# Altium PCB AUAV_X05.PcbDoc (part 4 of 5)
Units mm, origin at the board's own origin, x right, y up, seen from the top; angles counter-clockwise.
Board outline 44.99 x 99.99 mm, 4 copper layers (Top Layer, Int1 Layer, Int2 Layer, Bottom Layer), stack 1.587 mm thick; 376 components, 270 nets, 1466 pads, 1242 vias.
Unrouted connection lines stored in the file: 2.
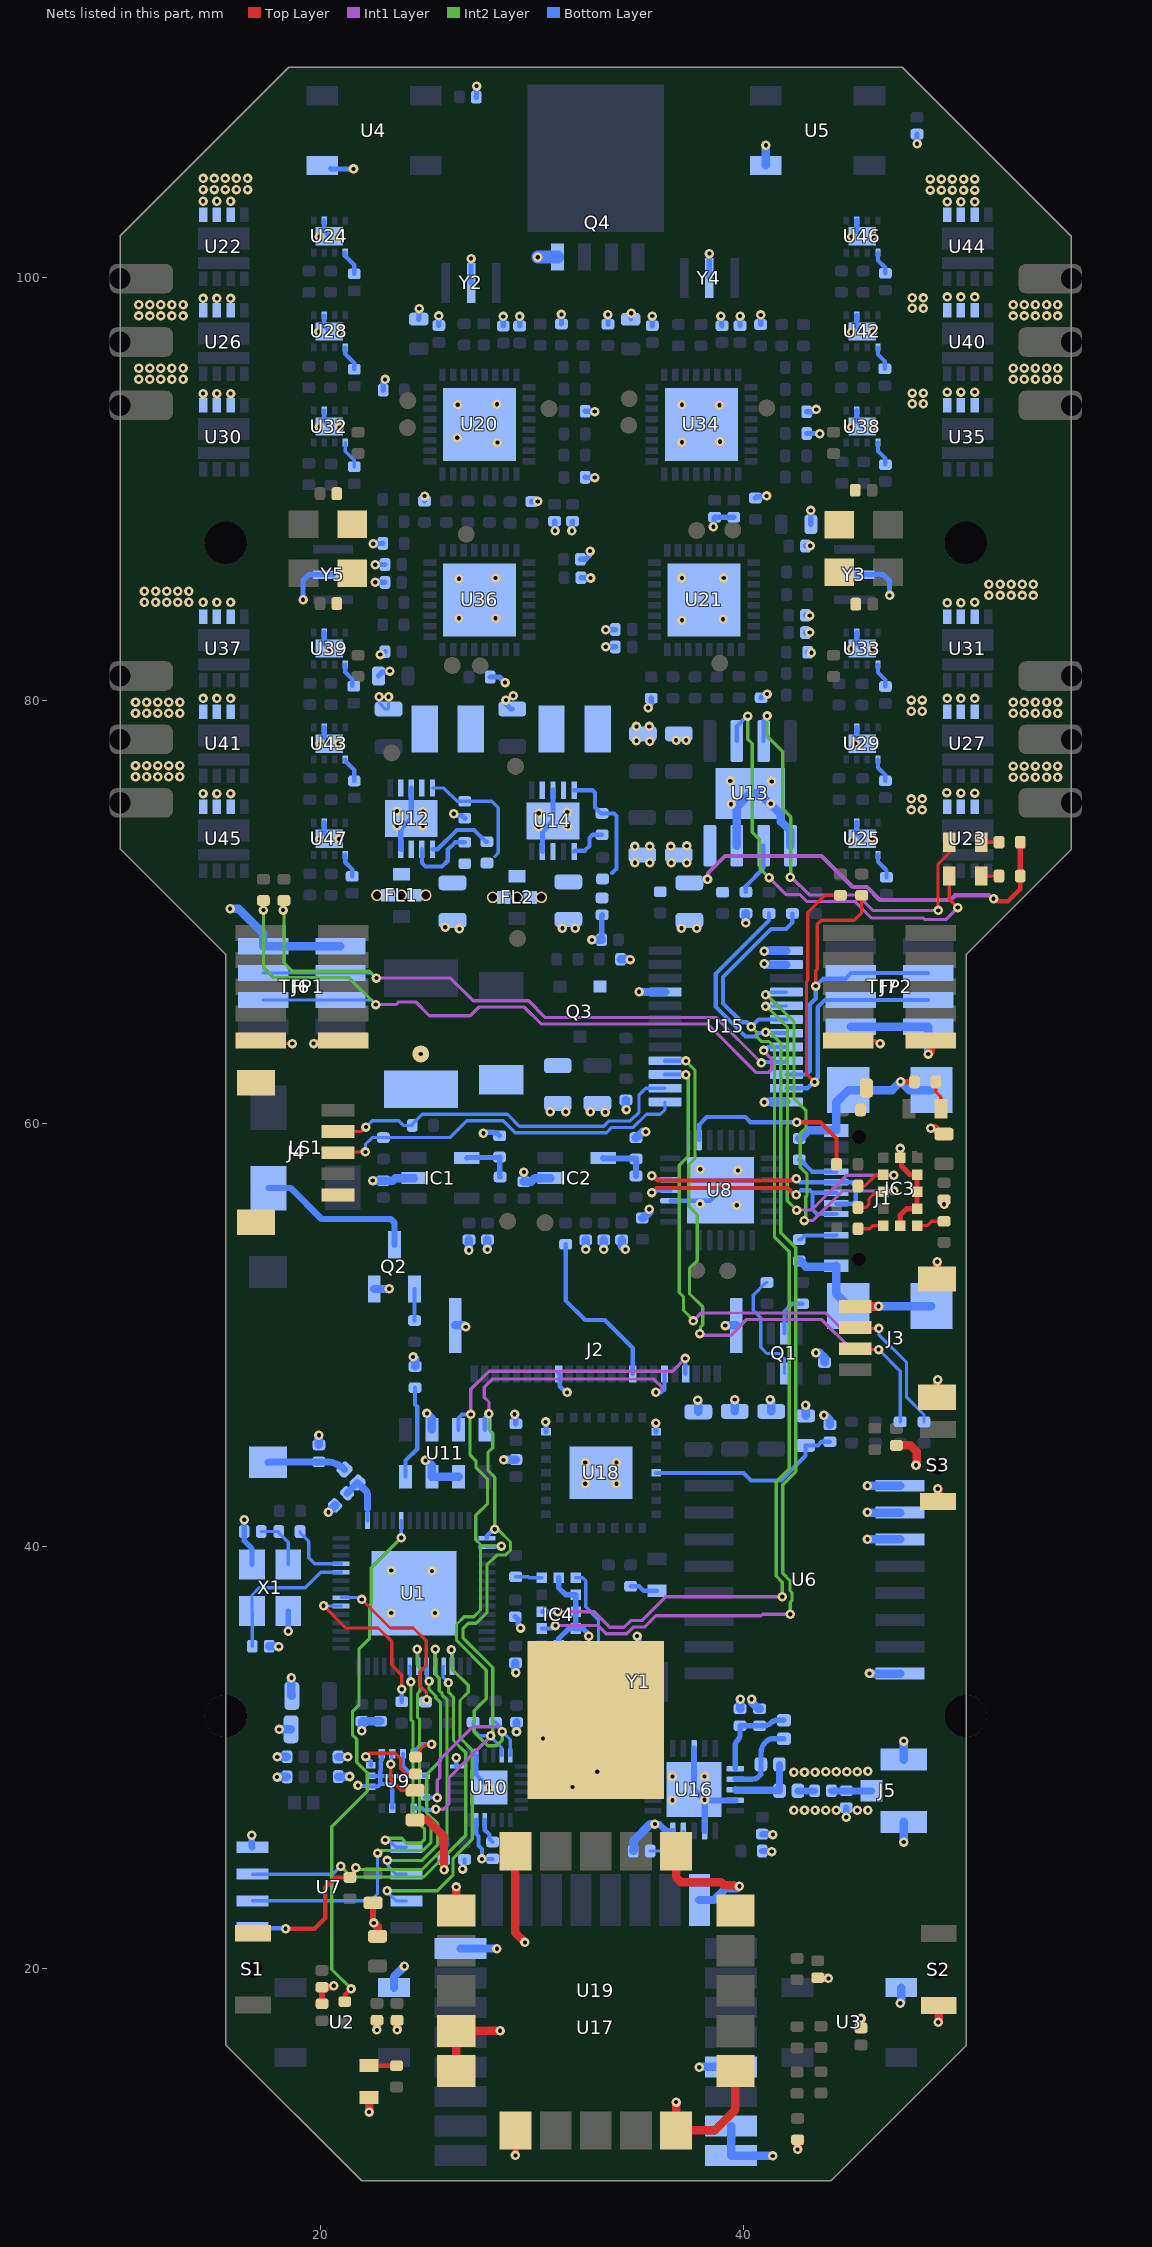
[diagram p6: the nets of this part, all layers, seen from the top]

## Via types
v1: diameter 0.45, hole 0.2, Top Layer to Bottom Layer, tented both sides, 1213 vias
v2: diameter 0.5, hole 0.25, Top Layer to Bottom Layer, 24 vias
v3: diameter 0.45, hole 0.2, Top Layer to Bottom Layer, 5 vias

## Nets (pads, with @x,y where several pads share a name; then routed paths per layer and width w, separated by ;. In a path a pad name is that pad's centre, name@x,y a point inside that pad or via, vN(x,y) a via of type N, cw(c..) or ccw(c..) an arc to the next point about the centre after c; other vN are vias at no path point) (continued)
GND: B1.1 C1.P$2 C2.P$2 C3.P$2 C4.P$2 C5.P$2 C6.P$2 C7.P$1 C8.P$1 C9.P$2 C10.P$2 C11.P$2 C12.P$2 C13.P$2 C14.P$2 C15.P$2 C16.P$2 C17.P$2 C18.P$2 C19.P$2 C20.P$2 C21.P$1 C22.P$1 C23.P$2 C24.P$2 C25.P$2 C26.P$2 C27.P$2 C28.P$2 C29.P$2 C31.P$2 C32.P$1 C33.P$2 C34.P$2 C35.P$1 C36.P$1 C37.P$2 C38.P$2 C39.P$2 C40.P$2 C41.P$2 C42.P$1 C43.P$2 C44.P$2 C45.P$2 C46.P$2 C47.P$1 C48.P$1 C49.P$1 C50.P$1 C51.P$1 C52.P$1 C53.P$1 C54.P$2 C55.P$1 C56.P$1 C57.P$2 C58.P$1 C59.P$1 C60.P$1 C61.P$1 C62.P$2 C63.P$2 C65.P$2 C66.P$2 C67.P$2 C68.P$2 C69.P$2 C70.P$2 C71.P$2 C72.P$2 C73.P$2 C74.P$2 C75.2 C76.P$2 C77.2 C78.P$2 C81.P$2 C82.P$2 C83.P$2 C84.P$2 C85.P$2 C86.P$2 C87.P$2 C88.P$2 C89.P$2 C90.P$2 C91.P$2 C92.P$2 C97.2 C98.P$2 C99.2 C100.P$2 C103.P$2 C104.P$2 C105.P$2 C106.P$2 C107.P$2 C108.P$2 C109.P$2 C110.P$2 C111.P$2 C112.P$2 C113.P$2 C114.P$2 FL1.2 FL1.2_1 FL1.2_2 FL1.2_3 FL1.2_4 FL2.2 FL2.2_1 FL2.2_2 FL2.2_3 FL2.2_4 IC1.2 IC2.2 IC3.2 IC3.3 IC3.4 IC3.6 IC3.12 IC4.2 IC4.3 IC4.4 IC4.6 IC4.12 J1.A1/B12 J1.B1/A12 J1.S1 J1.S2 J1.S3 J1.S4 J2.9 J2.S J3.4 J3.S1 J3.S2 J4.5 J4.S1 J4.S2 J5.2 J5.3 J6.9 J6.10 J7.9 J7.10 LED5.C Q2.2 Q4.4 R16.P$2 R17.P$2 R23.P$2 R29.P$1 R30.P$2 R35.P$1 R36.P$1 R38.P$1 R40.P$2 R42.P$1 R62.P$1 R64.P$1 R77.P$2 R78.P$2 R97.P$1 R100.P$1 R101.P$1 R103.P$1 R106.P$1 R107.P$1 R115.P$2 R116.P$2 R135.P$1 R138.P$1 R139.P$1 R141.P$1 R144.P$1 R145.P$1 S1.1 S2.1 S3.1 TFP1.1 TFP2.4 U1.57 U2.3 U3.3 U4.3 U5.3 U6.1 U6.2 U6.3 U6.8 U7.4 U8.3 U8.29 U9.3 U9.6 U9.7 U9.9 U9.11 U9.14 U10.11 U10.18 U10.20 U10.25 U11.2 U11.3 U11.6 U12.3 U12.9 U12.11 U13.1 U13.3 U13.9 U14.3 U14.9 U14.11 U15.1 U15.2 U15.12 U15.21 U16.8 U16.14 U16.17 U16.20 U16.21 U17.8 U17.16 U17.21 U17.23 U17.24 U18.1 U18.21 U18.29 U19.1 U19.4 U19.5 U19.6 U19.10 U19.11 U19.15 U19.16 U19.20 U20.33 U21.33 U22.5 U22.6 U22.7 U23.5 U23.6 U23.7 U24.6 U24.9 U25.6 U25.9 U26.5 U26.6 U26.7 U27.5 U27.6 U27.7 U28.6 U28.9 U29.6 U29.9 U30.5 U30.6 U30.7 U31.5 U31.6 U31.7 U32.6 U32.9 U33.6 U33.9 U34.33 U35.5 U35.6 U35.7 U36.33 U37.5 U37.6 U37.7 U38.6 U38.9 U39.6 U39.9 U40.5 U40.6 U40.7 U41.5 U41.6 U41.7 U42.6 U42.9 U43.6 U43.9 U44.5 U44.6 U44.7 U45.5 U45.6 U45.7 U46.6 U46.9 U47.6 U47.9 X1.2 X1.4 Y1.2 Y2.2 Y3.2 Y4.2 Y5.2 | length 225.8
  Top Layer w0.153: J6.9@17.175,63.923 17.326,63.773 v1(18.662,63.773) ; J7.9@44.975,63.923 46.221,63.923 46.37,63.775 v1(46.477,63.775)
  Top Layer w0.25: v1(19.675,63.773) 19.716,63.773 19.818,63.875 21.027,63.875 J6.10@21.075,63.923 ; IC3.6@47.425,55.163 47.425,55.65 47.738,55.963 IC3.4@48.225,55.963 IC3.3@48.225,56.763 IC3.2@48.225,57.563 47.911,57.563 47.486,57.988 47.486,58.302 IC3.12@47.425,58.363 v1(47.425,58.813) ; v1(47.448,61.975) 47.453,61.969 48.095,61.969 R36.P$1@48.1,61.964 ; v1(49.5,56.175) C55.P$1@49.5,56.389
  Top Layer w0.3: C2.P$2@20.075,18.35 C1.P$2@20.075,19.125 20.523,19.125 20.598,19.2 v1(20.625,19.2) ; C24.P$2@22.488,23.125 22.488,22.239 22.525,22.202 v1(22.525,22.175) ; v1(29.225,11.175) U19.6@29.225,12.363
  Top Layer w0.4: v1(22.3,13.225) LED5.C@22.3,13.914 ; v1(22.525,22.175) 22.7,22 C66.P$2@22.7,21.539 ; v1(22.675,17.11) v1@22.675,17.225 ; v1@22.675,17.225 C73.P$2@22.675,17.564 ; v1(23.625,17.11) v1@23.625,17.15 ; v1@23.625,17.15 C74.P$2@23.625,17.564 ; C31.P$2@24.475,27.05 25.05,27.05 25.199,26.9 25.846,26.254 v1(25.846,24.689) ; U19.5@26.425,15.164 U19.4@26.425,17.064 28.489,17.064 v1(28.5,17.075) ; U19.1@26.425,22.764 v1@26.425,23.875 ; U19.20@29.225,25.563 29.225,21.7 v1(29.675,21.25) ; v1(36.825,13.7) U19.10@36.825,12.364 38.664,12.364 39.625,13.325 U19.11@39.625,15.164 ; U19.16@36.825,25.563 36.825,24.334 37.06,24.1 38.95,24.1 39.084,23.966 39.548,23.966 39.609,23.906 v1(39.818,23.906) ; v1(42.575,11.46) 42.575,11.6 R64.P$1@42.575,11.914 ; C6.P$2@43.525,19.583 43.991,19.583 44.025,19.55 v1(44.03,19.55) ; J3.4@45.3,51.339 46.391,51.339 v1(46.402,51.35) ; C3.P$2@45.575,17.2 v1(45.575,17.654) ; C25.P$2@47.25,44.763 47.912,44.763 48.2,44.475 48.2,43.85 v1(48.175,43.825) ; v1(48.75,63.275) 48.875,63.4 J7.10@48.875,63.923 ; v1(48.869,59.773) 49.064,59.773 49.348,59.489 C54.P$2@49.5,59.489 ; J3.S1@49.175,47.039 49.175,47.85 v1(49.2,47.875) ; J3.S2@49.175,52.639 v1(49.175,53.45) ; v1(49.2,42.714) 49.2,42.7 49.225,42.675 S3.1@49.225,42.113 ; v1(49.225,17.475) 49.25,17.5 S2.1@49.25,18.263
  Bottom Layer w0.152: v1(22.774,80.181) 22.796,80.158 22.796,79.872 23.068,79.6 C41.P$2@23.225,79.6 23.223,79.602 v1(23.223,80.181)
  Bottom Layer w0.2: U32.6@20.175,93.722 20.175,93.213 U32.9@20.425,92.963 ; U28.6@20.175,98.222 20.175,97.713 U28.9@20.425,97.463 ; U24.6@20.175,102.722 20.175,102.213 U24.9@20.425,101.963 ; v1(21.775,28.677) 21.801,28.651 22.349,28.651 U9.6@22.375,28.625 22.712,28.625 22.829,28.742 ; U9.7@22.375,29.129 22.829,29.129 ; U9.9@22.9,30.17 22.9,29.886 22.856,29.842 22.856,29.38 22.829,29.353 22.829,29.129 ; U9.3@23.4,27.6 23.4,28.625 23.283,28.742 22.829,28.742 ; U9.11@23.904,30.17 23.904,29.583 24.358,29.129 ; U9.14@24.945,29.129 24.358,29.129 ; C28.P$2@25.835,25.164 25.84,25.158 25.84,24.694 v1(25.846,24.689) ; v1(26.43,29.991) 26.43,29.577 26.431,29.575 U10.18@26.451,29.575 ; v1(26.723,24.72) 26.723,24.774 26.815,24.866 C26.P$2@26.815,25.174 ; U10.11@27.375,27.051 27.375,26.375 27.475,26.275 27.475,25.832 27.64,25.667 27.64,25.204 27.642,25.202 28.144,25.202 C32.P$1@28.145,25.204 ; U10.20@27.375,30.099 27.375,29.175 v1(27.975,28.575) ; J2.9@31.275,48.138 31.322,48.092 31.322,47.559 31.611,47.27 v1(31.665,47.27) ; C103.P$2@34.675,98.039 34.675,98.3 v1(34.7,98.325) ; U8.3@36.555,56.339 38.425,56.339 U8.29@38.925,56.838 ; 22.829,28.742 22.829,29.129 ; 22.829,29.129 24.358,29.129
  Bottom Layer w0.25: C9.P$2@16.4,40.688 v1(16.4,41.25) ; C9.P$2@16.4,40.688 16.4,40.25 16.762,39.888 X1.4@16.762,39.138 ; v1(18.475,35.975) X1.2@18.475,36.921 ; v1(19.175,84.775) 19.175,85.675 19.463,85.963 Y5.2@20.6,85.963 ; U47.6@20.175,74.222 20.175,73.714 U47.9@20.425,73.464 ; U43.6@20.175,78.722 20.175,78.213 U43.9@20.425,77.963 ; U39.6@20.175,83.222 20.175,82.713 U39.9@20.425,82.464 ; U4.3@20.475,105.175 20.5,105.15 v1(21.564,105.15) ; v1(22.496,87.425) 22.503,87.432 22.944,87.432 R141.P$1@22.95,87.438 ; v1(22.596,85.6) 22.602,85.594 23.045,85.594 C111.P$2@23.05,85.588 ; v1(22.596,86.425) 22.61,86.438 C112.P$2@23.05,86.438 ; C109.P$2@22.75,81.163 22.75,81.178 22.928,81.356 23.242,81.356 v1(23.28,81.394) ; v1(22.825,82.177) 22.863,82.215 22.952,82.215 C110.P$2@23.05,82.313 ; R77.P$2@22.967,94.688 22.971,94.692 22.971,95.066 23.058,95.153 v1(23.058,95.193) ; U12.9@23.8,72.966 23.8,73.914 U12.11@24.3,74.414 U12.3@24.3,75.861 ; C81.P$2@24.65,98.044 24.663,98.057 24.663,98.537 v1(24.675,98.549) ; R144.P$1@24.925,89.438 v1(24.925,89.675) ; v1(25.597,98.198) 25.599,98.197 25.599,97.746 C82.P$2@25.6,97.744 ; v1(26.304,74.643) 26.359,74.643 26.437,74.564 26.698,74.564 C40.P$2@26.825,74.436 ; Y2.2@27.125,99.763 v1(27.125,100.913) ; C7.P$1@27.375,108.55 27.382,108.557 27.382,109.068 v1(27.388,109.075) ; v1(27.712,59.528) 27.766,59.528 27.813,59.575 28.149,59.575 28.183,59.541 28.348,59.541 R38.P$1@28.475,59.413 ; R116.P$2@28.033,81.114 28.473,81.114 v1(28.736,80.85) ; C83.P$2@28.65,97.719 v1(28.65,98.173) ; v1(28.775,80.025) 28.775,79.829 29.002,79.603 C45.P$2@29.075,79.603 ; v1(29.182,46.237) 29.182,46.197 29.245,46.133 C70.P$2@29.245,45.783 ; C20.P$2@29.215,36.654 29.233,36.654 29.362,36.525 29.362,36.275 29.47,36.166 v1(29.47,36.125) ; v1(29.42,98.173) 29.423,98.171 29.423,97.722 C84.P$2@29.425,97.719 ; C52.P$1@29.625,57.238 v1(29.625,57.692) ; R145.P$1@30,89.413 30.006,89.419 30.273,89.419 v1(30.279,89.425) ; U14.9@30.5,72.866 30.5,73.813 U14.11@31,74.313 U14.3@31,75.761 ; v1(30.65,45.875) 30.672,45.853 U18.21@30.672,45.413 ; C86.P$2@31.075,88.488 31.086,88.478 31.086,88.045 v1(31.097,88.035) ; IC4.12@31.275,35.304 31.275,35.625 31.753,36.103 IC4.2@32.075,36.103 ; IC4.6@31.275,38.503 31.275,38.025 31.597,37.704 IC4.4@32.075,37.704 IC4.3@32.075,36.903 IC4.2@32.075,36.103 ; R97.P$1@31.4,97.813 v1(31.4,98.267) ; v1(31.896,88.035) 31.911,88.049 31.911,88.474 C85.P$2@31.925,88.488 ; C113.P$2@32.3,86.688 32.307,86.682 32.549,86.682 32.725,86.858 32.725,87.047 v1(32.754,87.075) ; C114.P$2@32.325,85.813 32.766,85.813 v1(32.779,85.8) ; R101.P$1@32.525,90.563 32.532,90.557 32.973,90.557 v1(32.979,90.55) ; R100.P$1@32.525,93.688 32.966,93.688 v1(32.979,93.675) ; v1(32.689,35.735) 32.661,35.764 32.661,35.861 32.434,36.087 32.091,36.087 IC4.2@32.075,36.103 ; C56.P$1@33.3,68.688 33.313,68.701 33.313,69.851 C44.P$2@33.325,69.864 C44.P$2@33.339,69.849 ; v1(33.496,82.55) 33.502,82.544 33.945,82.544 C91.P$2@33.95,82.538 ; v1(33.496,83.35) 33.503,83.357 33.944,83.357 C92.P$2@33.95,83.363 ; R115.P$2@33.6,97.808 v1(33.6,98.262) ; v1(35.511,79.659) 35.511,79.7 35.65,79.839 R107.P$1@35.65,80.113 ; C107.P$2@35.7,97.738 v1(35.7,98.192) ; v1(35.873,45.823) 35.876,45.82 35.876,45.417 U18.1@35.879,45.413 ; Y4.2@38.4,99.988 v1(38.4,101.15) ; v1(38.594,88.221) 38.622,88.249 38.622,88.647 C104.P$2@38.65,88.675 C108.P$2@39.55,88.675 ; v1(38.946,98.192) 38.973,98.165 38.973,97.766 C105.P$2@39,97.738 ; C106.P$2@39.85,97.738 v1(39.85,98.192) ; R78.P$2@40.575,89.583 40.636,89.644 41.067,89.644 v1(41.105,89.683) ; R135.P$1@40.825,97.788 v1(40.825,98.242) ; R106.P$1@40.85,80.138 40.968,80.256 41.02,80.256 41.035,80.272 41.091,80.272 v1(41.129,80.31) ; C90.P$2@42.95,83.213 42.962,83.225 v1(43.148,83.225) ; C89.P$2@42.95,84.038 43.134,84.038 v1(43.148,84.025) ; C88.P$2@42.95,87.313 42.956,87.319 43.169,87.319 v1(43.175,87.325) ; R139.P$1@43,92.638 43.006,92.633 43.612,92.633 v1(43.618,92.627) ; R138.P$1@43,93.663 43.3,93.663 43.414,93.777 v1(43.454,93.777) ; R103.P$1@43.05,82.288 43.208,82.288 v1(43.23,82.267) ; C87.P$2@43.2,88.339 v1(43.2,88.996) ; Y3.2@45.25,85.963 46.612,85.963 46.925,85.65 v1(46.925,84.975) ; U33.6@45.375,83.223 45.375,82.714 U33.9@45.625,82.464 ; U25.6@45.375,74.223 45.375,73.714 U25.9@45.625,73.464 ; U29.6@45.375,78.722 45.375,78.213 U29.9@45.625,77.963 ; U38.6@45.375,93.722 45.375,93.213 U38.9@45.625,92.963 ; U42.6@45.375,98.222 45.375,97.713 U42.9@45.625,97.463 ; U46.6@45.375,102.722 45.375,102.213 U46.9@45.625,101.963 ; v1(48.225,106.346) C8.P$1@48.225,106.8
  Bottom Layer w0.3: v1(16.75,26.325) 16.75,25.785 U7.4@16.78,25.755 ; v1(34.978,35.742) 34.978,35.715 35.05,35.643 Y1.2@35.05,33.575 ; v1@36.025,26.85 36.35,26.525 U16.20@36.675,26.525 ; U16.8@37.675,30.425 U16.21@37.675,28.475 38.181,27.969 39.619,27.969 U16.14@39.625,27.975 ; U16.21@38.16,27.99 v1(38.171,28.001) ; U16.17@38.175,26.525 U16.21@38.175,27.975 ; R62.P$1@40.9,25.575 41.275,25.575 41.281,25.569 41.335,25.569 v1(41.354,25.55) ; C59.P$1@40.9,26.375 41.3,26.375 41.306,26.369 41.386,26.369 v1(41.405,26.35) ; v1(44.875,27.171) C65.P$2@44.875,27.625
  Bottom Layer w0.4: v3(15.725,70.15) 16.125,70.15 17.298,68.977 TFP1.1@17.298,68.378 TFP1.1@20.948,68.378 ; C10.P$2@17.575,35.264 17.962,35.264 17.975,35.25 v1(18.029,35.25) ; v1(17.95,29.075) 17.959,29.084 C14.P$2@18.415,29.084 ; v1(17.961,30.025) 18,30.025 18.008,30.033 C13.P$2@18.415,30.033 ; v1(18.051,31.325) 18.1,31.325 18.108,31.333 C11.P$2@18.606,31.333 ; v1(18.625,33.774) 18.625,32.935 C12.P$2@18.646,32.914 ; C4.P$2@19.925,44.788 19.925,45.225 v1(19.925,45.242) ; v1(20.38,41.601) 20.692,41.914 C5.P$2@20.692,41.931 ; C16.P$2@20.835,30.023 21.288,30.023 v1(21.289,30.025) ; C15.P$2@20.845,29.094 21.372,29.094 v1(21.379,29.1) ; v1(21.95,31.265) 21.95,31.4 21.965,31.415 C17.P$2@21.965,31.719 C19.P$2@22.835,31.719 ; v1(22.47,57.295) 22.476,57.288 C47.P$1@22.975,57.288 23.419,57.288 23.544,57.413 IC1.2@24.425,57.413 ; Q2.2@22.55,52.163 23.238,52.163 v1(23.25,52.175) ; U2.3@23.48,19.114 23.48,19.63 v1(23.975,20.125) ; v1(24.381,48.952) 24.475,48.858 R23.P$2@24.475,48.496 ; v1(24.97,44.054) 25.041,44.054 25.275,43.82 U11.3@25.275,43.288 U11.2@26.535,43.288 ; v1(25.036,46.275) 25.041,46.275 25.275,46.041 U11.6@25.275,45.506 ; J2.S@26.375,50.438 26.808,50.438 v1(26.875,50.371) ; U17.8@26.625,20.963 28.336,20.963 v1(28.35,20.95) ; v1(27.025,54) C50.P$1@27.025,54.488 ; v1(27.9,54.034) 27.9,54.075 C48.P$1@27.9,54.488 ; v1(28.66,44.075) 28.679,44.093 C33.P$2@29.245,44.093 ; C18.P$2@29.225,34.473 29.225,34.125 29.25,34.1 v1(29.25,34.02) ; v1(29.275,31.21) 29.275,31.35 C58.P$1@29.275,31.664 ; C52.P$1@29.625,57.238 29.964,57.238 30.139,57.413 IC2.2@30.875,57.413 ; v1(30.525,30.895) 30.525,30.9 C57.P$2@30.525,31.4 ; C27.P$2@31.915,30.174 C29.P$2@31.915,29.204 31.915,28.623 ccw(c31.948,28.623) v1(31.925,28.6) ; v1(32.55,54.034) 32.55,54.075 C51.P$1@32.55,54.488 ; v1(32.846,68.675) 32.95,68.675 32.963,68.688 C56.P$1@33.3,68.688 ; v1(33.1,29.325) 33.1,28.942 ccw(c33.356,28.942) C60.P$1@33.175,28.761 ; v1(33.4,54.034) 33.4,54.075 C49.P$1@33.4,54.488 ; R35.P$1@34.2,67.763 34.612,67.763 34.625,67.75 v1(34.654,67.75) ; C53.P$1@34.25,54.488 34.25,54.212 v1(34.427,54.034) ; R30.P$2@34.45,61.105 34.45,61.052 34.45,60.677 v1(34.477,60.65) ; C61.P$1@34.8,25.575 34.83,25.605 34.83,26.08 35.6,26.85 v1(35.821,26.85) ; R42.P$1@34.925,59.325 34.979,59.379 35.03,59.379 35.258,59.607 v1(35.391,59.607) ; v1(35.075,66.225) 35.087,66.213 U15.21@36.305,66.213 ; R40.P$2@35.225,55.521 35.276,55.521 35.56,55.806 v1(35.56,55.935) ; v1(37.85,46.908) 37.85,46.85 37.875,46.825 C69.P$2@37.875,46.353 ; v1(37.925,15.35) 37.938,15.363 U17.21@39.425,15.363 ; U17.16@37.925,23.259 38.625,23.259 39.255,23.889 39.343,23.801 39.713,23.801 v1(39.818,23.906) ; v1(39.15,50.431) 39.157,50.438 J2.S@39.675,50.438 ; U17.23@39.425,12.564 U17.24@39.425,11.164 41.387,11.164 v1(41.4,11.15) ; C68.P$2@39.6,46.377 39.6,46.825 v1(39.6,46.933) ; U13.3@39.695,73.139 39.695,74.979 U13.9@40.33,75.614 40.775,75.614 41.781,74.607 41.781,74.278 42.235,73.824 U13.1@42.235,73.139 ; C63.P$2@39.85,32.3 39.85,32.738 v1(39.866,32.754) ; v1(40.125,69.484) v1@40.125,69.525 ; v1@40.125,69.525 R29.P$1@40.125,69.938 ; v1(40.395,32.751) 40.395,32.63 40.724,32.3 C62.P$2@40.775,32.3 ; v1(41,61) 41.013,61.014 U15.12@42.045,61.014 ; v1(41,67.554) 41.04,67.513 U15.2@42.045,67.513 ; v1(41,68.146) 41.017,68.163 U15.1@42.045,68.163 ; U5.3@41.07,105.314 41.07,106.27 v3(41.075,106.275) ; v1(41.271,46.933) 41.325,46.879 C67.P$2@41.325,46.377 ; U13.9@41.285,75.103 v1(41.303,75.121) ; R17.P$2@42.65,53.492 42.701,53.492 42.968,53.225 44.362,53.225 J1.B1/A12@44.4,53.263 44.4,51.928 J1.S2@44.975,51.353 J1.S4@48.905,51.353 ; R16.P$2@42.65,59.283 42.701,59.283 43.081,59.664 J1.A1/B12@44.4,59.664 44.4,60.998 J1.S1@44.975,61.573 47.046,61.573 v1(47.448,61.975) 47.849,61.573 J1.S3@48.905,61.573 ; C71.P$2@42.95,46.164 42.95,46.6 v1(42.95,46.668) ; v1(43.443,49.142) 43.616,49.142 43.85,48.908 C21.P$1@43.85,48.688 ; v1(43.82,46.192) 43.866,46.192 44.1,45.958 C72.P$2@44.1,45.738 ; TFP2.4@45.098,64.568 TFP2.4@48.748,64.568 48.748,63.277 v1(48.75,63.275) ; v1(45.875,40.325) 45.882,40.318 U6.3@47.421,40.318 ; v1(45.875,41.6) 45.887,41.588 U6.2@47.421,41.588 ; v1(45.875,42.85) 45.883,42.858 U6.1@47.421,42.858 ; v1(45.975,33.975) 45.982,33.968 U6.8@47.421,33.968 ; v1(47.425,18.375) 47.47,18.42 U3.3@47.47,19.114 ; v1(47.6,26) J5.2@47.6,26.95 ; J5.3@47.6,29.9 v1(47.6,30.775)
  Bottom Layer w0.6: v1(30.275,100.975) 30.284,100.984 31.215,100.984 31.22,100.989 Q4.4@31.22,100.993
  other v1: 26.425,23.875 27.64,25.2 42.4,27.5 42.9,27.5 43.4,27.5 43.9,27.5 44.4,27.5 45.4,27.5 45.9,27.5 36.652,27.975 36.652,29.1 38.171,29.1 42.4,29.3 42.9,29.3 43.4,29.3 43.9,29.325 44.4,29.325 44.9,29.325 45.4,29.325 45.9,29.35 23.35,36.83 25.425,36.83 25.282,38.825 23.35,38.85 32.523,42.95 34,42.95 32.523,43.95 34,43.95 39.7,56.125 37.962,56.185 39.75,57.775 37.971,57.825 33.475,60.525 30.875,60.55 31.6,60.55 32.775,60.55 26.575,69.2 31.45,69.225 32.05,69.225 37.075,69.225 37.8,69.225 25.9,69.275 34.875,72.325 35.575,72.325 36.6,72.325 37.325,72.325 34.875,73.1 35.575,73.1 36.575,73.1 37.325,73.125 45.175,73.375 19.975,73.45 20.875,73.45 46.1,73.475 30.325,74.025 31.7,74.05 23.627,74.075 24.846,74.075 30.325,74.675 31.675,74.725 24.846,74.75 23.627,74.775 47.95,74.825 48.475,74.825 39.429,75.1 47.95,75.35 48.475,75.35 14.45,75.6 15.1,75.6 15.75,75.6 50.3,75.625 50.95,75.625 49.625,75.65 41.35,76.175 39.384,76.2 52.775,76.375 53.3,76.375 53.825,76.375 54.35,76.375 54.875,76.375 11.25,76.4 11.775,76.4 12.3,76.4 12.825,76.4 13.35,76.4 52.775,76.9 53.3,76.9 53.825,76.9 54.35,76.9 54.875,76.9 11.25,76.925 11.775,76.925 12.3,76.925 12.825,76.925 13.35,76.925 20,77.975 20.85,77.975 45.3,77.975 35.575,78.075 34.95,78.1 36.824,78.125 37.3,78.125 34.95,78.775 35.55,78.775 11.25,79.4 11.775,79.4 12.3,79.4 12.825,79.4 13.35,79.4 52.775,79.4 53.3,79.4 53.825,79.4 54.35,79.4 54.875,79.4 47.95,79.5 48.475,79.5 11.25,79.925 11.775,79.925 12.3,79.925 12.825,79.925 13.35,79.925 52.775,79.925 53.3,79.925 53.825,79.925 54.35,79.925 54.875,79.925 47.95,80.025 48.475,80.025 14.45,80.1 15.1,80.1 15.75,80.1 49.65,80.1 50.3,80.1 50.95,80.1 29.118,80.231 46.125,82.425 20.439,82.439 45.125,82.45 37.1,83.8 39.05,83.85 26.554,83.9 28.283,83.9 49.65,84.625 50.3,84.625 11.675,84.65 12.2,84.65 12.725,84.65 13.25,84.65 13.775,84.65 14.45,84.65 15.1,84.65 15.75,84.65 50.95,84.65 51.625,84.975 52.15,84.975 52.675,84.975 53.2,84.975 53.725,84.975 11.675,85.175 12.2,85.175 12.725,85.175 13.25,85.175 13.775,85.175 51.625,85.5 52.15,85.5 52.675,85.5 53.2,85.5 53.725,85.5 26.554,85.766 28.283,85.798 37.1,85.8 39.075,85.8 28.375,92.204 37.1,92.225 38.9,92.25 26.475,92.434 20.9,92.925 19.95,92.95 45.138,92.937 46.125,92.975 38.875,93.975 26.5,94 37.1,94 28.35,94.025 48,94.046 48.525,94.046 14.45,94.525 15.1,94.525 15.75,94.525 48,94.546 48.525,94.546 49.65,94.596 50.3,94.596 50.95,94.596 11.4,95.2 11.925,95.2 12.45,95.2 12.975,95.2 13.5,95.2 52.775,95.2 53.3,95.2 53.825,95.2 54.35,95.2 54.875,95.2 11.4,95.725 11.925,95.725 12.45,95.725 12.975,95.725 13.5,95.725 52.775,95.725 53.3,95.725 53.825,95.725 54.35,95.725 54.875,95.725 45.125,97.425 19.925,97.45 20.9,97.45 46.125,97.45 11.4,98.2 11.925,98.2 12.45,98.2 12.975,98.2 13.5,98.2 52.775,98.2 53.3,98.2 53.825,98.2 54.35,98.2 54.875,98.2 48,98.559 48.525,98.552 11.4,98.725 11.925,98.725 12.45,98.725 12.975,98.725 13.5,98.725 52.775,98.725 53.3,98.725 53.825,98.725 54.35,98.725 54.875,98.725 14.45,99.025 15.1,99.025 15.75,99.025 48,99.059 48.525,99.052 49.65,99.1 50.3,99.1 50.95,99.1 20.875,101.925 19.95,101.95 45.125,101.95 46.125,101.95 49.65,103.6 50.3,103.6 50.95,103.6 14.45,103.625 15.1,103.625 15.75,103.625 48.85,104.15 49.375,104.15 49.9,104.15 50.425,104.15 50.95,104.15 14.45,104.175 14.975,104.175 15.5,104.175 16.025,104.175 16.55,104.175 48.85,104.675 49.375,104.675 49.9,104.675 50.425,104.675 50.95,104.675 14.45,104.7 14.975,104.7 15.5,104.7 16.025,104.7 16.55,104.7
I2C0_SCL: IC3.10 R46.P$2 U15.5 | length 18.5
  Top Layer w0.153: R46.P$2@45.433,57.038 45.764,57.038 46.289,57.563 IC3.10@46.625,57.563 46.639,57.55 v1(47.125,57.55)
  Int1 Layer w0.153: v1(42.525,55.9) 43.25,55.9 44.9,57.55 v1(47.125,57.55)
  Int2 Layer w0.153: v1(41.06,65.533) 41.102,65.533 42.1,64.535 42.1,59.814 42.086,59.8 42.086,56.339 v1(42.525,55.9)
  Bottom Layer w0.153: v1(41.06,65.533) 41.076,65.548 42.03,65.548 U15.5@42.045,65.563
I2C0_SDA: IC3.9 R53.P$2 U15.4 | length 19.8
  Top Layer w0.153: R53.P$2@45.433,56.013 45.788,56.013 45.95,56.175 45.95,56.425 46.289,56.763 IC3.9@46.625,56.763 46.662,56.8 v1(47.125,56.8)
  Int1 Layer w0.153: v1(42.89,55.4) 43.3,55.4 44.7,56.8 v1(47.125,56.8)
  Int2 Layer w0.153: v1(41.06,66.085) 41.114,66.085 42.405,64.794 42.405,61.17 42.975,60.6 42.975,59.8 42.7,59.525 42.7,57.925 43.014,57.611 43.014,56.585 42.954,56.525 42.954,55.463 v1(42.89,55.4)
  Bottom Layer w0.153: v1(41.06,66.085) 41.127,66.085 41.249,66.207 42.039,66.207 U15.4@42.045,66.213
I2C1_SCL: IC4.10 R45.P$2 U15.7 | length 50.5
  Int1 Layer w0.153: v1(31.116,36.241) 33.134,36.241 33.519,35.856 34.486,35.856 34.801,36.171 35.33,36.171 35.861,36.702 40.842,36.702 40.92,36.78 v1(42.226,36.78)
  Int2 Layer w0.153: v1(41.06,64.307) 41.129,64.238 41.337,64.238 41.78,63.795 41.78,54.82 42.484,54.116 42.484,43.525 41.87,42.91 41.87,38.712 42.215,38.367 42.215,37.877 42.304,37.788 42.304,37.412 42.226,37.334 v1(42.226,36.78)
  Bottom Layer w0.2: IC4.10@30.475,36.103 30.924,36.103 31.062,36.241 v1(31.116,36.241) ; v1@41.06,64.275 41.066,64.269 42.04,64.269 U15.7@42.045,64.263 ; v1(41.06,64.307) 41.028,64.275 40.733,64.275 40.571,64.112 40.105,64.112 38.698,65.52 38.698,67.073 41.225,69.601 R45.P$2@41.225,69.93
I2C1_SDA: IC4.9 R55.P$2 U15.6 | length 50.2
  Int1 Layer w0.153: v1(31.221,36.892) 32.96,36.892 33.691,36.161 34.359,36.161 34.674,36.476 35.203,36.476 36.327,37.6 v1(41.85,37.6)
  Int2 Layer w0.153: v1(40.383,64.565) 40.631,64.317 40.631,64.097 40.851,63.878 41.197,63.878 41.475,63.6 41.475,54.625 42.179,53.921 42.179,43.651 41.564,43.037 41.564,38.586 41.85,38.3 v1(41.85,37.6)
  Bottom Layer w0.2: IC4.9@30.475,36.903 30.481,36.898 31.216,36.898 v1(31.221,36.892) ; U15.6@42.045,64.913 40.732,64.913 v1(40.383,64.565) 40.167,64.781 39.935,64.781 39.05,65.666 39.05,66.927 41.323,69.2 42.025,69.2 42.325,69.5 R55.P$2@42.325,69.93
I2C2_SCL: R44.P$2 TFP1.2 U15.9 | length 34.2
  Top Layer w0.2: v1(18.232,70.088) 18.253,70.11 18.253,70.52 R44.P$2@18.275,70.542
  Int1 Layer w0.153: v3(22.645,66.875) 26.15,66.875 27.22,65.805 29.845,65.805 30.645,65.005 38.715,65.005 v1(40.865,62.856)
  Int2 Layer w0.153: v1(18.232,70.088) 18.275,70.045 18.275,67.592 18.667,67.2 22.32,67.2 v3(22.645,66.875)
  Bottom Layer w0.153: TFP1.2@17.298,67.108 TFP1.2@20.948,67.108 22.412,67.108 v3(22.645,66.875)
  Bottom Layer w0.2: v1(40.865,62.856) 40.912,62.903 41.985,62.903 U15.9@42.045,62.963
I2C2_SDA: R57.P$2 TFP1.3 U15.8 | length 36.9
  Int1 Layer w0.153: v3(22.618,65.621) 23.577,65.621 23.7,65.745 24.505,65.745 25.16,65.09 27.077,65.09 27.487,65.5 29.65,65.5 30.45,64.7 38.32,64.7 40.618,62.402 41.192,62.402 41.35,62.559 41.35,63.032 40.967,63.415 v1(40.967,63.449)
  Int2 Layer w0.153: v1(17.3,70.088) 17.3,67.375 17.78,66.895 21.345,66.895 v3(22.618,65.621)
  Bottom Layer w0.153: TFP1.3@17.298,65.838 TFP1.3@20.948,65.838 22.401,65.838 v3(22.618,65.621)
  Bottom Layer w0.2: v1(40.967,63.449) 41.019,63.449 41.177,63.607 42.039,63.607 U15.8@42.045,63.613
I2C3_SCL: R43.P$2 TFP2.3 U15.11 | length 20.2
  Top Layer w0.153: v1(43.375,61.95) 43,62.325 43,66.709 43.05,66.759 43.05,69.975 43.867,70.792 R43.P$2@44.6,70.792
  Bottom Layer w0.2: U15.11@42.045,61.663 43.038,61.663 v1@43.35,61.975 ; 43.525,62.15 43.525,65.496 43.867,65.838 TFP2.3@45.098,65.838 TFP2.3@48.748,65.838
I2C3_SDA: R58.P$2 TFP2.2 U15.10 | length 17
  Top Layer w0.153: v1(43.429,66.496) 43.429,67.229 43.5,67.3 43.5,69.427 43.687,69.613 45.246,69.613 45.6,69.968 R58.P$2@45.6,70.792
  Bottom Layer w0.2: U15.10@42.045,62.313 42.988,62.313 43.15,62.475 43.15,65.619 43.429,65.898 v1(43.429,66.496) 43.77,66.837 44.826,66.837 TFP2.2@45.098,67.108 TFP2.2@48.748,67.108
I2C4_SCL: J4.3 R54.P$1 U15.13 | length 17.4
  Top Layer w0.153: J4.3@20.825,58.613 20.862,58.65 v1(22.125,58.65)
  Bottom Layer w0.153: v1(22.125,58.65) 22.125,59 22.45,59.325 R54.P$1@22.975,59.325 26.125,59.325 26.92,60.12 28.655,60.12 29.219,59.556 33.531,59.556 33.783,59.808 34.808,59.808 35.425,60.425 36.075,60.425 36.305,60.655 U15.13@36.305,61.014
I2C4_SDA: J4.2 R49.P$2 U15.14 | length 17.5
  Top Layer w0.153: J4.2@20.825,59.614 21.938,59.614 v1(22.15,59.825)
  Bottom Layer w0.153: v1(22.15,59.825) 22.45,60.125 23.7,60.125 23.925,59.9 R49.P$2@24.342,59.9 24.342,59.951 24.825,60.434 26.166,60.434 26.175,60.425 28.85,60.425 29.414,59.861 33.405,59.861 33.657,60.113 34.663,60.113 35.075,60.525 35.075,61.35 35.388,61.663 U15.14@36.305,61.663
I2C5_SCL: J3.3 R56.P$1 U15.15 | length 28.8
  Top Layer w0.153: J3.3@45.3,50.338 45.339,50.3 v1(46.423,50.3)
  Int1 Layer w0.153: v1(37.632,50.65) 38.012,51.03 43.895,51.03 44.625,50.3 v1(46.423,50.3)
  Int2 Layer w0.153: v1(37.29,62.3) 37.29,62.233 37.4,62.123 37.4,58.45 36.97,58.02 36.97,51.999 37.175,51.793 37.175,51.15 37.632,50.693 v1(37.632,50.65)
  Bottom Layer w0.153: v1(46.423,50.3) 46.423,49.995 47.73,48.687 47.73,47.045 48.55,46.225 R56.P$1@48.55,45.875
  Bottom Layer w0.2: U15.15@36.305,62.313 36.312,62.307 37.284,62.307 v1(37.29,62.3)
I2C5_SDA: J3.2 R50.P$2 U15.16 | length 29.2
  Top Layer w0.153: J3.2@45.3,49.339 45.339,49.3 v1(46.402,49.3)
  Int1 Layer w0.153: v1(37.942,50.052) 37.971,50.052 38.046,49.977 39.427,49.977 40.175,50.725 43.7,50.725 45.125,49.3 v1(46.402,49.3)
  Int2 Layer w0.153: v1(37.29,62.95) 37.72,62.521 37.72,58.338 37.425,58.043 37.425,56.08 37.827,55.678 37.827,53.509 37.459,53.14 37.459,51.941 38.086,51.314 38.086,50.462 37.977,50.354 37.977,50.088 v1(37.942,50.052)
  Bottom Layer w0.153: v1(46.402,49.3) 47.425,48.277 R50.P$2@47.425,45.883
  Bottom Layer w0.2: U15.16@36.305,62.963 36.312,62.957 37.284,62.957 v1(37.29,62.95)
I2C_SCL: J2.19 R9.P$2 U1.15 U9.1 U10.23 U11.8 | length 39.4
  Int1 Layer w0.153: v1(25.462,27.551) 25.826,27.551 26.075,27.8 26.075,29.03 28.05,31.005 v1(28.05,31.025) ; v1(27.973,46.265) 27.973,46.817 27.75,47.04 27.75,47.525 28.125,47.9 35.775,47.9 36.184,47.491 36.184,47.478 36.038,47.332 35.929,47.332 v1(35.873,47.275)
  Int2 Layer w0.153: v1(27.973,46.265) 27.973,45.514 28.146,45.341 28.146,44.657 27.926,44.437 27.926,43.574 28.25,43.25 v1(28.25,40.796) 28.297,40.749 28.437,40.749 28.99,40.195 28.99,39.813 28.753,39.575 28.33,39.575 27.878,39.123 27.878,36.852 27.378,36.351 26.994,36.351 26.741,36.098 26.741,35.666 28.15,34.257 28.15,31.192 28.05,31.092 v1(28.05,31.025)
  Bottom Layer w0.153: R9.P$2@27.225,31.667 27.225,31.325 27.525,31.025 v1(28.05,31.025) 28.05,30.98 28.575,30.455 U10.23@28.575,30.099
  Bottom Layer w0.2: U9.1@24.412,27.6 24.8,27.6 24.884,27.516 25.427,27.516 v1(25.462,27.551) ; U11.8@27.78,45.506 27.775,45.511 27.775,46.055 27.973,46.254 v1(27.973,46.265) ; U1.15@27.87,40.363 27.87,40.47 28.196,40.796 v1(28.25,40.796) ; v1(35.873,47.275) 36.102,47.275 36.219,47.392 36.275,47.392 J2.19@36.275,48.138
I2C_SDA: J2.21 R10.P$2 U1.16 U9.16 U10.24 U11.7 | length 43
  Int1 Layer w0.153: v1(25.525,28.1) 25.525,28.918 25.648,29.041 25.648,29.898 27.204,31.454 28.371,31.454 v1(28.6,31.225) ; v1(27.116,46.232) 27.116,47.416 27.975,48.275 36.658,48.275 v3(37.263,48.88)
  Int2 Layer w0.153: v1(27.116,46.232) 27.116,46.202 27.077,46.163 27.077,44.305 27.361,44.021 27.361,43.707 27.902,43.166 27.902,42.006 27.35,41.454 27.35,40.3 27.573,40.077 ; v1(28.562,40.004) 27.646,40.004 27.573,40.077 ; v1(28.6,31.225) 28.6,30.825 28.325,30.55 27.918,30.55 27.275,31.193 27.275,32.21 27.845,32.779 27.845,34.13 26.436,35.539 26.436,36.293 26.8,36.657 27.252,36.657 27.573,36.978 27.573,40.077
  Bottom Layer w0.153: U1.16@27.87,39.963 27.876,39.969 28.527,39.969 v1(28.562,40.004) ; R10.P$2@28.275,31.667 28.298,31.667 28.553,31.413 28.553,31.272 v1(28.6,31.225) 28.975,30.85 U10.24@28.975,30.099
  Bottom Layer w0.2: U9.16@24.945,28.125 24.958,28.112 25.513,28.112 v1(25.525,28.1) ; U11.7@26.535,45.506 26.525,45.516 26.525,46.055 26.702,46.232 v1(27.116,46.232) ; v3(37.263,48.88) 37.263,48.151 J2.21@37.275,48.138
LED_DRIVER: R148.P$1 U1.6 | length 25.2
  Top Layer w0.2: R148.P$1@21.15,18.45 21.15,18.75 v1(21.45,19.05)
  Int2 Layer w0.153: v1(21.45,19.05) 20.53,19.97 20.53,20.923 20.53,26.724 22.218,28.411 22.218,29.282 21.718,29.782 21.718,30.853 21.521,31.05 21.521,32.196 21.829,32.504 21.829,35.154 22.323,35.648 22.323,37.207 22.404,37.287 22.404,38.979 v1(23.825,40.4)
  Bottom Layer w0.153: v1(23.825,40.4) U1.6@23.825,41.209
MEM_CS: R15.P$1 U1.33 U7.1 | length 22.2
  Top Layer w0.2: v1(18.35,21.9) 19.725,21.9 20.225,22.4 20.225,23.85 20.7,24.325 21.428,24.325 21.58,24.477 21.58,24.634 21.67,24.725 v1(21.67,24.779)
  Int2 Layer w0.153: v1(21.67,24.779) 21.733,24.716 21.868,24.716 21.884,24.7 24.818,24.7 25.99,25.872 25.99,32.718 25.755,32.953 25.755,33.034 25.625,33.164 25.625,33.75 25.429,33.946 v1(25.429,35.125)
  Bottom Layer w0.153: U1.33@25.425,34.318 25.425,35.121 v1(25.429,35.125)
  Bottom Layer w0.2: U7.1@16.78,21.945 16.803,21.923 18.327,21.923 v1(18.35,21.9)
MEM_IO0: U1.36 U7.5 | length 11.7
  Int2 Layer w0.153: v1(23.061,26.092) 23.144,26.175 23.848,26.175 24.092,25.93 24.749,25.93 24.92,26.101 24.92,26.624 24.749,26.795 24.384,27.159 24.384,31.684 24.279,31.789 v1(24.279,33.575)
  Bottom Layer w0.153: v1(23.061,26.092) 23.108,26.045 23.285,26.045 23.575,25.755 U7.5@24.07,25.755 ; U1.36@24.225,34.318 24.252,34.292 24.252,33.602 v1(24.279,33.575)
MEM_IO1: U1.35 U7.2 | length 21.1
  Int2 Layer w0.153: v1(22.7,25.475) 22.767,25.475 22.896,25.604 24.854,25.604 25.225,25.975 25.225,26.75 24.689,27.286 24.689,31.811 24.592,31.908 24.592,33.02 24.708,33.136 24.708,34.248 24.571,34.385 v1(24.571,35.125)
  Bottom Layer w0.153: U7.2@16.78,23.215 16.79,23.225 22.375,23.225 22.7,23.55 v1(22.7,25.475) ; v1(24.571,35.125) 24.613,35.083 24.613,34.331 U1.35@24.625,34.318
MEM_IO2: U1.32 U7.3 | length 19.7
  Int2 Layer w0.153: v1(20.959,24.858) 20.959,24.852 21.461,24.35 24.9,24.35 26.875,26.325 26.875,30.225 26.295,30.805 26.295,32.845 26.06,33.08 26.06,33.529 v1(26.054,33.535)
  Bottom Layer w0.153: U7.3@16.78,24.485 16.79,24.475 20.575,24.475 20.955,24.856 20.957,24.856 v1(20.959,24.858) ; U1.32@25.825,34.318 25.792,34.285 25.792,33.815 26.007,33.599 26.007,33.582 v1(26.054,33.535)
MEM_IO3: U1.31 U7.7 | length 17.1
  Int2 Layer w0.153: v1(23.15,23.7) 25.525,23.7 26.275,24.45 26.275,25.225 27.18,26.13 27.18,30.351 26.601,30.931 26.601,32.696 26.987,33.082 26.987,33.414 26.225,34.176 26.225,35.068 v1(26.197,35.097)
  Bottom Layer w0.153: v1(23.15,23.7) 23.15,23.64 23.575,23.215 U7.7@24.07,23.215 ; v1(26.197,35.097) 26.211,35.082 26.211,34.333 U1.31@26.225,34.318
MEM_SCK: U1.34 U7.6 | length 13.2
  Int2 Layer w0.153: v1(23.157,25.129) 24.815,25.129 25.55,25.864 25.55,26.857 25.033,27.374 25.033,29.208 25.685,29.86 25.685,32.584 25.45,32.819 25.45,32.908 25.14,33.217 v1(25.14,33.608)
  Bottom Layer w0.153: v1(23.157,25.129) 23.204,25.082 23.204,24.855 23.575,24.485 U7.6@24.07,24.485 ; U1.34@25.025,34.318 25.025,33.789 25.14,33.674 v1(25.14,33.608)
NetC4_P$1: C4.P$1 E1.1 L1.1 | length 3.7
  Bottom Layer w0.332: E1.1@17.525,43.963 cw(c17.586,43.903) 17.586,43.988 C4.P$1@19.925,43.988 20.258,43.988 cw(c20.258,42.739) L1.1@21.141,43.623
NetC5_P$1: C5.P$1 L1.2 U1.2 | length 2.7
  Bottom Layer w0.2: U1.2@22.225,41.209 22.225,41.78
  Bottom Layer w0.332: C5.P$1@21.258,42.496 21.258,42.5 21.759,43.001 L1.2@21.759,43.004 22.145,42.619 cw(c21.95,42.425) 22.225,42.425 22.225,41.78
NetC9_P$1: C9.P$1 R1.P$1 X1.1 | length 2.5
  Bottom Layer w0.153: C9.P$1@17.2,40.688 17.974,40.688 18.475,40.188 X1.1@18.475,39.138
NetC10_P$1: C10.P$1 U1.52 X1.3 | length 7.1
  Bottom Layer w0.153: C10.P$1@16.775,35.264 16.775,36.907 X1.3@16.762,36.921 16.762,37.687 17.1,38.025 19.275,38.025 20.013,38.763 U1.52@20.98,38.763
NetC30_P$1: C30.P$1 U9.8 | length 3.6
  Top Layer w0.153: v1(22.147,30.046) 22.301,30.2 23.55,30.2 23.8,29.95 23.8,29.475 24.052,29.224 C30.P$1@24.505,29.224
  Bottom Layer w0.2: v1(22.147,30.046) 22.165,30.046 22.375,29.836 U9.8@22.375,29.637
NetC30_P$2: C30.P$2 U9.12 | length 2.2
  Top Layer w0.153: C30.P$2@24.505,30.023 24.529,30.023 24.702,30.197 24.702,30.352 24.975,30.625 25.254,30.625 v1(25.256,30.626)
  Bottom Layer w0.2: U9.12@24.412,30.17 24.412,30.247 24.792,30.626 v1(25.256,30.626)
NetC31_P$1: C31.P$1 U9.10 | length 2.6
  Top Layer w0.153: v1(23.33,29.676) 23.33,28.945 23.825,28.45 C31.P$1@24.475,28.45
  Top Layer w0.2: C31.P$1@24.475,28.45 C31.P$1@24.505,28.48
  Bottom Layer w0.153: v1(23.33,29.676) 23.365,29.711 23.365,30.135 U9.10@23.4,30.17
NetC32_P$2: C32.P$2 U10.10 | length 1.2
  Bottom Layer w0.2: U10.10@27.775,27.051 27.775,26.575 27.993,26.357 27.993,26.155 C32.P$2@28.144,26.003
NetC34_P$1: C34.P$1 R2.P$2 R24.P$1 R25.P$2 R28.P$2 U13.4 | length 19.1
  Top Layer w0.2: v1(51.844,70.63) 51.969,70.505 52.53,70.505 53.108,71.083 R25.P$2@53.108,71.7
  Top Layer w0.25: R25.P$2@53.108,71.7 R28.P$2@53.108,73.3
  Int1 Layer w0.2: v1(38.311,71.55) 38.335,71.575 38.335,71.85 39.138,72.652 43.705,72.652 45.183,71.175 45.849,71.175 46.463,70.561 49.806,70.561 50.037,70.792 51.628,70.792 51.79,70.63 v1(51.844,70.63)
  Bottom Layer w0.25: v1@38.15,71.575 38.286,71.575 v1(38.311,71.55)
NetC39_P$1: C39.P$1 C40.P$1 FL1.3 R26.P$1 R27.P$1 U12.5 U12.8 | length 5.9
  Bottom Layer w0.153: U12.5@25.3,75.861 25.839,75.861 26.464,75.236 C40.P$1@26.825,75.236 28.114,75.236 28.417,74.933 28.417,72.792 28.25,72.625
NetC43_P$1: C43.P$1 C44.P$1 FL2.3 R32.P$1 R33.P$1 U14.5 U14.8 | length 5.7
  Bottom Layer w0.2: U14.5@32,75.761 32.871,75.761 32.988,75.644 32.988,74.952 33.277,74.663 33.883,74.663 34,74.546 34,72.05 33.8,71.85
NetC46_P$1: C46.P$1 D1.1 F1.1 Q3.2 TP6.1
  other v1: 24.745,63.284
NetC61_P$2: C61.P$2 U16.19 | length 2.3
  Bottom Layer w0.153: C61.P$2@35.6,25.575 36.825,25.575 37.175,25.925 U16.19@37.175,26.525
NetC62_P$1: C62.P$1 C63.P$1 L4.2 U16.11 | length 4.2
  Bottom Layer w0.25: U16.11@39.625,29.475 39.625,30.559 cw(c39.966,30.559) 39.725,30.8 ccw(c39.423,31.102) 39.85,31.102 C63.P$1@39.85,31.5 C62.P$1@40.775,31.5 40.963,31.5 ccw(c40.963,32.012) 41.325,31.65 cw(c41.595,31.38) 41.595,31.762 L4.2@41.925,31.762
NetC64_P$1: C64.P$1 L6.1 | length 0.8
  Bottom Layer w0.332: L6.1@42.587,28.425 C64.P$1@43.375,28.425
NetC64_P$2: C64.P$2 C65.P$1 J5.1 | length 1.9
  Bottom Layer w0.332: C64.P$2@44.175,28.425 C65.P$1@44.875,28.425 J5.1@46.075,28.425
NetC71_P$1: C71.P$1 C72.P$1 U18.4 | length 9.4
  Bottom Layer w0.2: U18.4@35.879,43.463 40.011,43.463 40.365,43.109 41.784,43.109 42.95,44.275 C71.P$1@42.95,44.763 43.534,44.763 43.709,44.939 C72.P$1@44.1,44.939
NetC79_P$1: C79.P$1 U24.1 | length 1.2
  Bottom Layer w0.2: U24.1@21.175,101.205 21.175,101.025 21.6,100.6 C79.P$1@21.6,100.188
NetC80_P$1: C80.P$1 U25.1 | length 1.2
  Bottom Layer w0.2: U25.1@46.375,72.705 46.375,72.375 46.775,71.975 C80.P$1@46.775,71.639
NetC93_P$1: C93.P$1 U28.1 | length 1.2
  Bottom Layer w0.2: U28.1@21.175,96.705 21.175,96.4 21.6,95.975 C93.P$1@21.6,95.675
NetC94_P$1: C94.P$1 U29.1 | length 1.1
  Bottom Layer w0.2: U29.1@46.375,77.204 46.375,76.825 46.725,76.475 C94.P$1@46.725,76.213
NetC95_P$1: C95.P$1 U32.1 | length 1.3
  Bottom Layer w0.153: U32.1@21.175,92.205 21.175,91.8 21.6,91.375 C95.P$1@21.6,91.063
NetC96_P$1: C96.P$1 U33.1 | length 1.2
  Bottom Layer w0.2: U33.1@46.375,81.705 46.375,81.325 46.725,80.975 C96.P$1@46.725,80.663
NetC101_P$1: C101.P$1 U38.1 | length 1.2
  Bottom Layer w0.2: U38.1@46.375,92.205 46.375,91.8 46.725,91.45 C101.P$1@46.725,91.163
NetC102_P$1: C102.P$1 U39.1 | length 1.2
  Bottom Layer w0.2: U39.1@21.175,81.705 21.175,81.35 21.5,81.025 C102.P$1@21.5,80.688
NetC115_P$1: C115.P$1 U42.1 | length 1.1
  Bottom Layer w0.2: U42.1@46.375,96.705 46.375,96.375 46.7,96.05 C115.P$1@46.7,95.7
NetC116_P$1: C116.P$1 U43.1 | length 1.2
  Bottom Layer w0.2: U43.1@21.175,77.205 21.175,77.141 21.6,76.717 C116.P$1@21.6,76.2
NetC117_P$1: C117.P$1 U46.1 | length 1.1
  Bottom Layer w0.2: U46.1@46.375,101.205 46.375,100.825 46.725,100.475 C117.P$1@46.725,100.213
NetC118_P$1: C118.P$1 U47.1 | length 1.2
  Bottom Layer w0.2: U47.1@21.175,72.705 21.175,72.35 21.5,72.025 C118.P$1@21.5,71.688
NetIC1_4: IC1.4 R37.P$1 R38.P$2 | length 2.5
  Bottom Layer w0.25: IC1.4@26.925,58.364 26.946,58.385 28.454,58.385 R38.P$2@28.475,58.405 28.488,58.393 28.488,57.476 R37.P$1@28.5,57.463
NetIC2_4: IC2.4 R41.P$1 R42.P$2 | length 2.4
  Bottom Layer w0.3: IC2.4@33.375,58.364 33.399,58.34 34.902,58.34 R42.P$2@34.925,58.317 R41.P$1@34.925,57.513
NetIC3_5: IC3.5 R51.P$2 | length 1.4
  Top Layer w0.153: IC3.5@48.225,55.163 48.713,55.163 48.921,55.371 R51.P$2@49.5,55.371
NetIC3_7: IC3.7 R52.P$2 | length 1.3
  Top Layer w0.153: R52.P$2@45.433,55.013 45.989,55.013 46.139,55.163 IC3.7@46.625,55.163
NetIC4_5: IC4.5 R60.P$2 | length 6.7
  Bottom Layer w0.153: IC4.5@32.075,38.503 32.402,38.503 32.554,38.351 32.554,37.121 33.15,36.525 33.15,35.2 32.375,34.425 R60.P$2@32.375,32.771
NetIC4_7: IC4.7 R61.P$2 | length 1.3
  Bottom Layer w0.153: R61.P$2@29.235,38.546 29.829,38.546 29.875,38.5 30.472,38.5 IC4.7@30.475,38.503
NetJ1_A5: J1.A5 R16.P$1 | length 2
  Bottom Layer w0.2: R16.P$1@42.65,58.275 42.701,58.275 43.262,57.713 J1.A5@44.4,57.713
NetJ1_A6: J1.A6 J1.B6 U8.4 | length 11.7
  Top Layer w0.2: v1(35.675,56.725) 35.895,56.945 42.105,56.945 42.421,56.629 42.421,56.625 v1(42.515,56.625)
  Bottom Layer w0.2: v1(35.675,56.725) 35.729,56.725 35.843,56.838 U8.4@36.555,56.838 ; 42.734,56.83 43.159,56.83 43.275,56.713 ; J1.B6@44.4,55.713 43.487,55.713 43.275,55.925 43.275,56.713 ; J1.A6@44.4,56.713 43.275,56.713
NetJ1_A7: J1.A7 J1.B7 U8.5 | length 12.5
  Top Layer w0.2: v1(35.675,57.525) 35.729,57.525 35.879,57.375 ; 35.914,57.34 35.957,57.298 42.258,57.298 42.297,57.337 42.476,57.337 v1(42.515,57.375)
  Bottom Layer w0.2: v1(35.675,57.525) 35.726,57.525 35.913,57.338 U8.5@36.555,57.338 ; v1(42.515,57.375) 42.529,57.375 42.691,57.213 J1.B7@44.4,57.213 45.136,57.213 45.325,57.025 45.325,56.325 45.2,56.2 44.414,56.2 J1.A7@44.4,56.213
NetJ1_B5: J1.B5 R17.P$1 | length 1.8
  Bottom Layer w0.2: R17.P$1@42.65,54.5 42.715,54.5 42.915,54.7 44.387,54.7 J1.B5@44.4,54.713
NetJ2_16: J2.16 R39.P$2 | length 8
  Bottom Layer w0.2: R39.P$2@31.6,54.28 31.6,51.625 32.525,50.7 33.45,50.7 34.775,49.375 34.775,49 J2.16@34.775,48.138
NetL2_1: L2.1 U12.4
NetL2_2: L2.2 U12.2
NetL3_1: L3.1 U14.4
NetL3_2: L3.2 U14.2
NetL4_1: L4.1 L5.2 U16.12 | length 3.8
  Bottom Layer w0.25: U16.12@39.625,28.975 40.413,28.975 ccw(c40.413,29.487) 40.775,29.125 ccw(c40.623,29.277) 40.838,29.277 L5.2@40.838,29.675 40.838,30.178 cw(c41.647,30.178) 41.075,30.75 cw(c41.408,30.417) 41.408,30.888 L4.1@41.925,30.888
NetL5_1: L5.1 L6.2 U16.13 | length 3.4
  Bottom Layer w0.332: U16.13@39.625,28.475 39.65,28.45 41.688,28.45 L6.2@41.713,28.425 L5.1@41.712,29.675
NetLED1_A: LED1.A R13.P$1 | length 1.3
  Bottom Layer w0.2: R13.P$1@34.675,38.1 35.075,38.1 35.287,37.888 LED1.A@35.925,37.888
NetLED2_A: LED2.A R25.P$1 | length 0.8
  Top Layer w0.153: LED2.A@51.262,71.7 R25.P$1@52.1,71.7
NetLED2_C: LED2.C U13.6 | length 21.1
  Top Layer w0.153: LED2.C@49.75,71.7 49.75,70.612 v1(50.154,70.207)
  Int1 Layer w0.153: v1(41.225,71.625) 41.225,71.618 42.013,70.831 42.664,70.831 42.995,70.5 45.274,70.5 46.061,69.713 48.527,69.713 48.599,69.641 49.588,69.641 v1(50.154,70.207)
  Int2 Layer w0.153: v1(40.219,79.266) 40.219,78.176 40.425,77.97 40.425,73.775 40.8,73.4 40.8,72.05 v1(41.225,71.625)
  Bottom Layer w0.2: U13.6@39.695,78.089 39.695,78.774 40.188,79.266 v1(40.219,79.266)
NetLED3_A: LED3.A R28.P$1 | length 0.8
  Top Layer w0.153: LED3.A@51.262,73.3 R28.P$1@52.1,73.3
NetLED3_C: LED3.C U13.7 | length 20.5
  Top Layer w0.153: v1(49.225,70.07) 49.216,70.079 49.216,72.256 49.75,72.79 LED3.C@49.75,73.3
  Int1 Layer w0.153: v1(42.224,71.648) 42.279,71.648 43.121,70.805 45.401,70.805 46.136,70.07 v1(49.225,70.07)
  Int2 Layer w0.153: v1(41.129,79.274) 41.129,78.321 41.87,77.58 41.87,74.88 42.252,74.498 42.252,71.675 v1(42.224,71.648)
  Bottom Layer w0.2: U13.7@40.965,78.089 40.958,78.096 40.958,79.064 41.129,79.235 v1(41.129,79.274)
NetLED4_C: LED4.C R36.P$2 | length 1.4
  Top Layer w0.153: R36.P$2@49.108,61.964 49.108,61.492 49.35,61.25 LED4.C@49.35,60.688
NetLED5_A: LED5.A R70.P$1 | length 1.3
  Top Layer w0.2: LED5.A@22.3,15.426 22.312,15.413 R70.P$1@23.6,15.413
NetLS1_+: LS1.+ Q2.3 | length 7.7
  Bottom Layer w0.3: LS1.+@17.55,56.939 18.586,56.939 20.05,55.475 23.325,55.475 23.5,55.299 Q2.3@23.5,54.264
NetQ1_2: Q1.2 R21.P$2 | length 5.6
  Bottom Layer w0.153: R21.P$2@41.125,52.472 41.074,52.472 40.475,51.872 40.475,51.15 40.825,50.8 40.825,49.411 41.124,49.112 41.713,49.112 41.95,48.875 Q1.2@41.95,48.163
NetQ1_5: Q1.5 R22.P$1 | length 2
  Bottom Layer w0.2: Q1.5@41.95,50.063 41.95,51.1 42.314,51.464 R22.P$1@42.8,51.464
NetQ2_1: Q2.1 R20.P$2 | length 1.5
  Bottom Layer w0.2: R20.P$2@24.45,50.671 Q2.1@24.45,52.163
NetR1_P$2: R1.P$2 U1.53 | length 3.1
  Bottom Layer w0.153: R1.P$2@19.033,40.688 19.033,40.638 19.45,40.221 19.45,39.45 19.737,39.163 U1.53@20.98,39.163
NetR4_P$2: R4.P$2 U1.48 | length 7.8
  Top Layer w0.153: v1(20.15,37.175) 21.2,36.125 22.739,36.125 23.375,35.489 23.375,34.375 23.85,33.9 v1(23.85,33.223)
  Bottom Layer w0.153: v1(20.15,37.175) 20.156,37.169 20.974,37.169 U1.48@20.98,37.163
  Bottom Layer w0.2: R4.P$2@23.845,32.637 23.848,32.639 23.848,33.221 v1(23.85,33.223)
NetR5_P$2: R5.P$2 U1.49 | length 8
  Top Layer w0.153: v1(21.95,37.475) 23.3,36.125 24.4,36.125 25,35.525 25,34.35 24.711,34.061 24.711,33.375 25.021,33.066 v1(25.021,32.73)
  Bottom Layer w0.153: U1.49@20.98,37.563 20.986,37.569 21.727,37.569 21.821,37.475 v1(21.95,37.475)
  Bottom Layer w0.2: R5.P$2@24.965,32.627 24.965,32.675 v1(25.021,32.73)
NetR18_P$2: R18.P$2 U8.9 | length 9
  Top Layer w0.2: v1(42.529,60.05) 43.65,60.05 44.417,59.283 R18.P$2@44.417,58.063
  Bottom Layer w0.2: U8.9@37.925,59.208 37.925,59.95 38.275,60.3 40.1,60.3 40.35,60.05 v1(42.529,60.05)
NetR23_P$1: R23.P$1 U11.4 | length 4.5
  Bottom Layer w0.2: U11.4@24.025,43.288 24.025,44.05 24.584,44.609 24.584,46.591 24.475,46.7 R23.P$1@24.475,47.489
NetR26_P$2: R26.P$2 U12.6 | length 3.2
  Bottom Layer w0.2: U12.6@25.3,72.966 25.542,72.966 26.452,73.875 27.271,73.875 27.824,73.321 R26.P$2@27.875,73.321
NetR27_P$2: R27.P$2 U12.7 | length 3.5
  Bottom Layer w0.2: U12.7@24.8,72.966 24.8,72.325 24.975,72.15 25.75,72.15 26.025,72.425 26.025,72.95 26.369,73.294 R27.P$2@26.825,73.294
NetR29_P$2: R29.P$2 U13.2 | length 2.5
  Bottom Layer w0.2: R29.P$2@40.125,70.946 40.125,71.225 40.965,72.065 U13.2@40.965,73.139
NetR32_P$2: R32.P$2 U14.6 | length 1.9
  Bottom Layer w0.2: U14.6@32,72.866 32,72.873 32.027,72.9 32.5,72.9 32.725,73.125 32.725,73.5 32.88,73.655 R32.P$2@33.325,73.655

## Text inside footprints (layer, text, board x,y; h text height)
J7: tFinish "Default Padstyle: RX30Y94D0T" at 42.683,66.463 h0.79 r270; tFinish "1st Mtg Padstyle: EX52Y52D32P" at 40.778,66.463 h0.79 r270; tFinish "2nd Mtg Padstyle: EX70Y70D70P" at 38.873,66.463 h0.79 r270; tFinish "3rd Mtg Padstyle: EX70Y70D70P" at 36.968,66.463 h0.79 r270; tFinish "Left Mtg Padstyle: EX60Y60D30P" at 35.063,66.463 h0.79 r270; tFinish "Right Mtg Padstyle: EX60Y60D30P" at 33.158,66.463 h0.79 r270; tFinish "Alt Padstyle 1: OX60Y90D30P" at 31.253,66.463 h0.79 r270; tFinish "Alt Padstyle 2: OX90Y60D30P" at 29.348,66.463 h0.79 r270; tFinish "0.05in/1.27mm" at 51.675,68.368 h0.4 r270; tFinish "0.171in/4.35mm" at 56.755,66.463 h0.4 r270; tFinish "0.25in/6.35mm" at 59.295,66.463 h0.4 r270; tFinish "0.154in/3.9mm" at 46.925,60.24 h0.4 r270; tFinish "0in/0mm" at 46.925,72.686 h0.4 r270; tFinish "0.3in/7.62mm" at 50.735,75.226 h0.4 r270; tFinish "0.067in/1.702mm" at 47.776,77.766 h0.4 r270; tFinish "0.134in/3.404mm" at 47.776,80.306 h0.4 r270
U6: tFinish "Default Padstyle: RX91Y22D0T" at 42.9,29.358 h0.79; tFinish "Pin One Padstyle: RX91Y22D0T" at 42.9,27.453 h0.79; tFinish "Alt 1 Padstyle: OX60Y90D30P" at 42.9,25.548 h0.79; tFinish "Alt 2 Padstyle: OX90Y60D30P" at 42.9,23.643 h0.79; Dimension "*" at 47.396,43.611 h0.79; Bottom Overlay "*" at 47.396,43.611 h0.79
U7: tFinish "0.032in/0.813mm" at 16.78,28.93 h0.4 r180; tFinish "0.05in/1.27mm" at 13.732,22.58 h0.4 r180; tFinish "0.21in/5.334mm" at 26.14,23.85 h0.4 r180; tFinish "0.319in/8.103mm" at 20.425,16.865 h0.4 r180; tFinish "0.21in/5.334mm" at 20.425,18.77 h0.4 r180; tFinish "Alt 2 Padstyle: OX90Y60D30P" at 20.425,37.947 h0.79 r180; tFinish "Alt 1 Padstyle: OX60Y90D30P" at 20.425,36.423 h0.79 r180; tFinish "Pin One Padstyle: RX60Y21D0T" at 20.425,31.851 h0.79 r180; tFinish "Default Padstyle: RX60Y21D0T" at 20.425,30.327 h0.79 r180; Dimension "*" at 18.139,21.259 h0.79 r180; Bottom Overlay "*" at 16.526,20.269 h0.79 r180